# Altium PCB FMC_DAC_125M_14B_16CHA.PcbDoc (part 6 of 9) (continued)
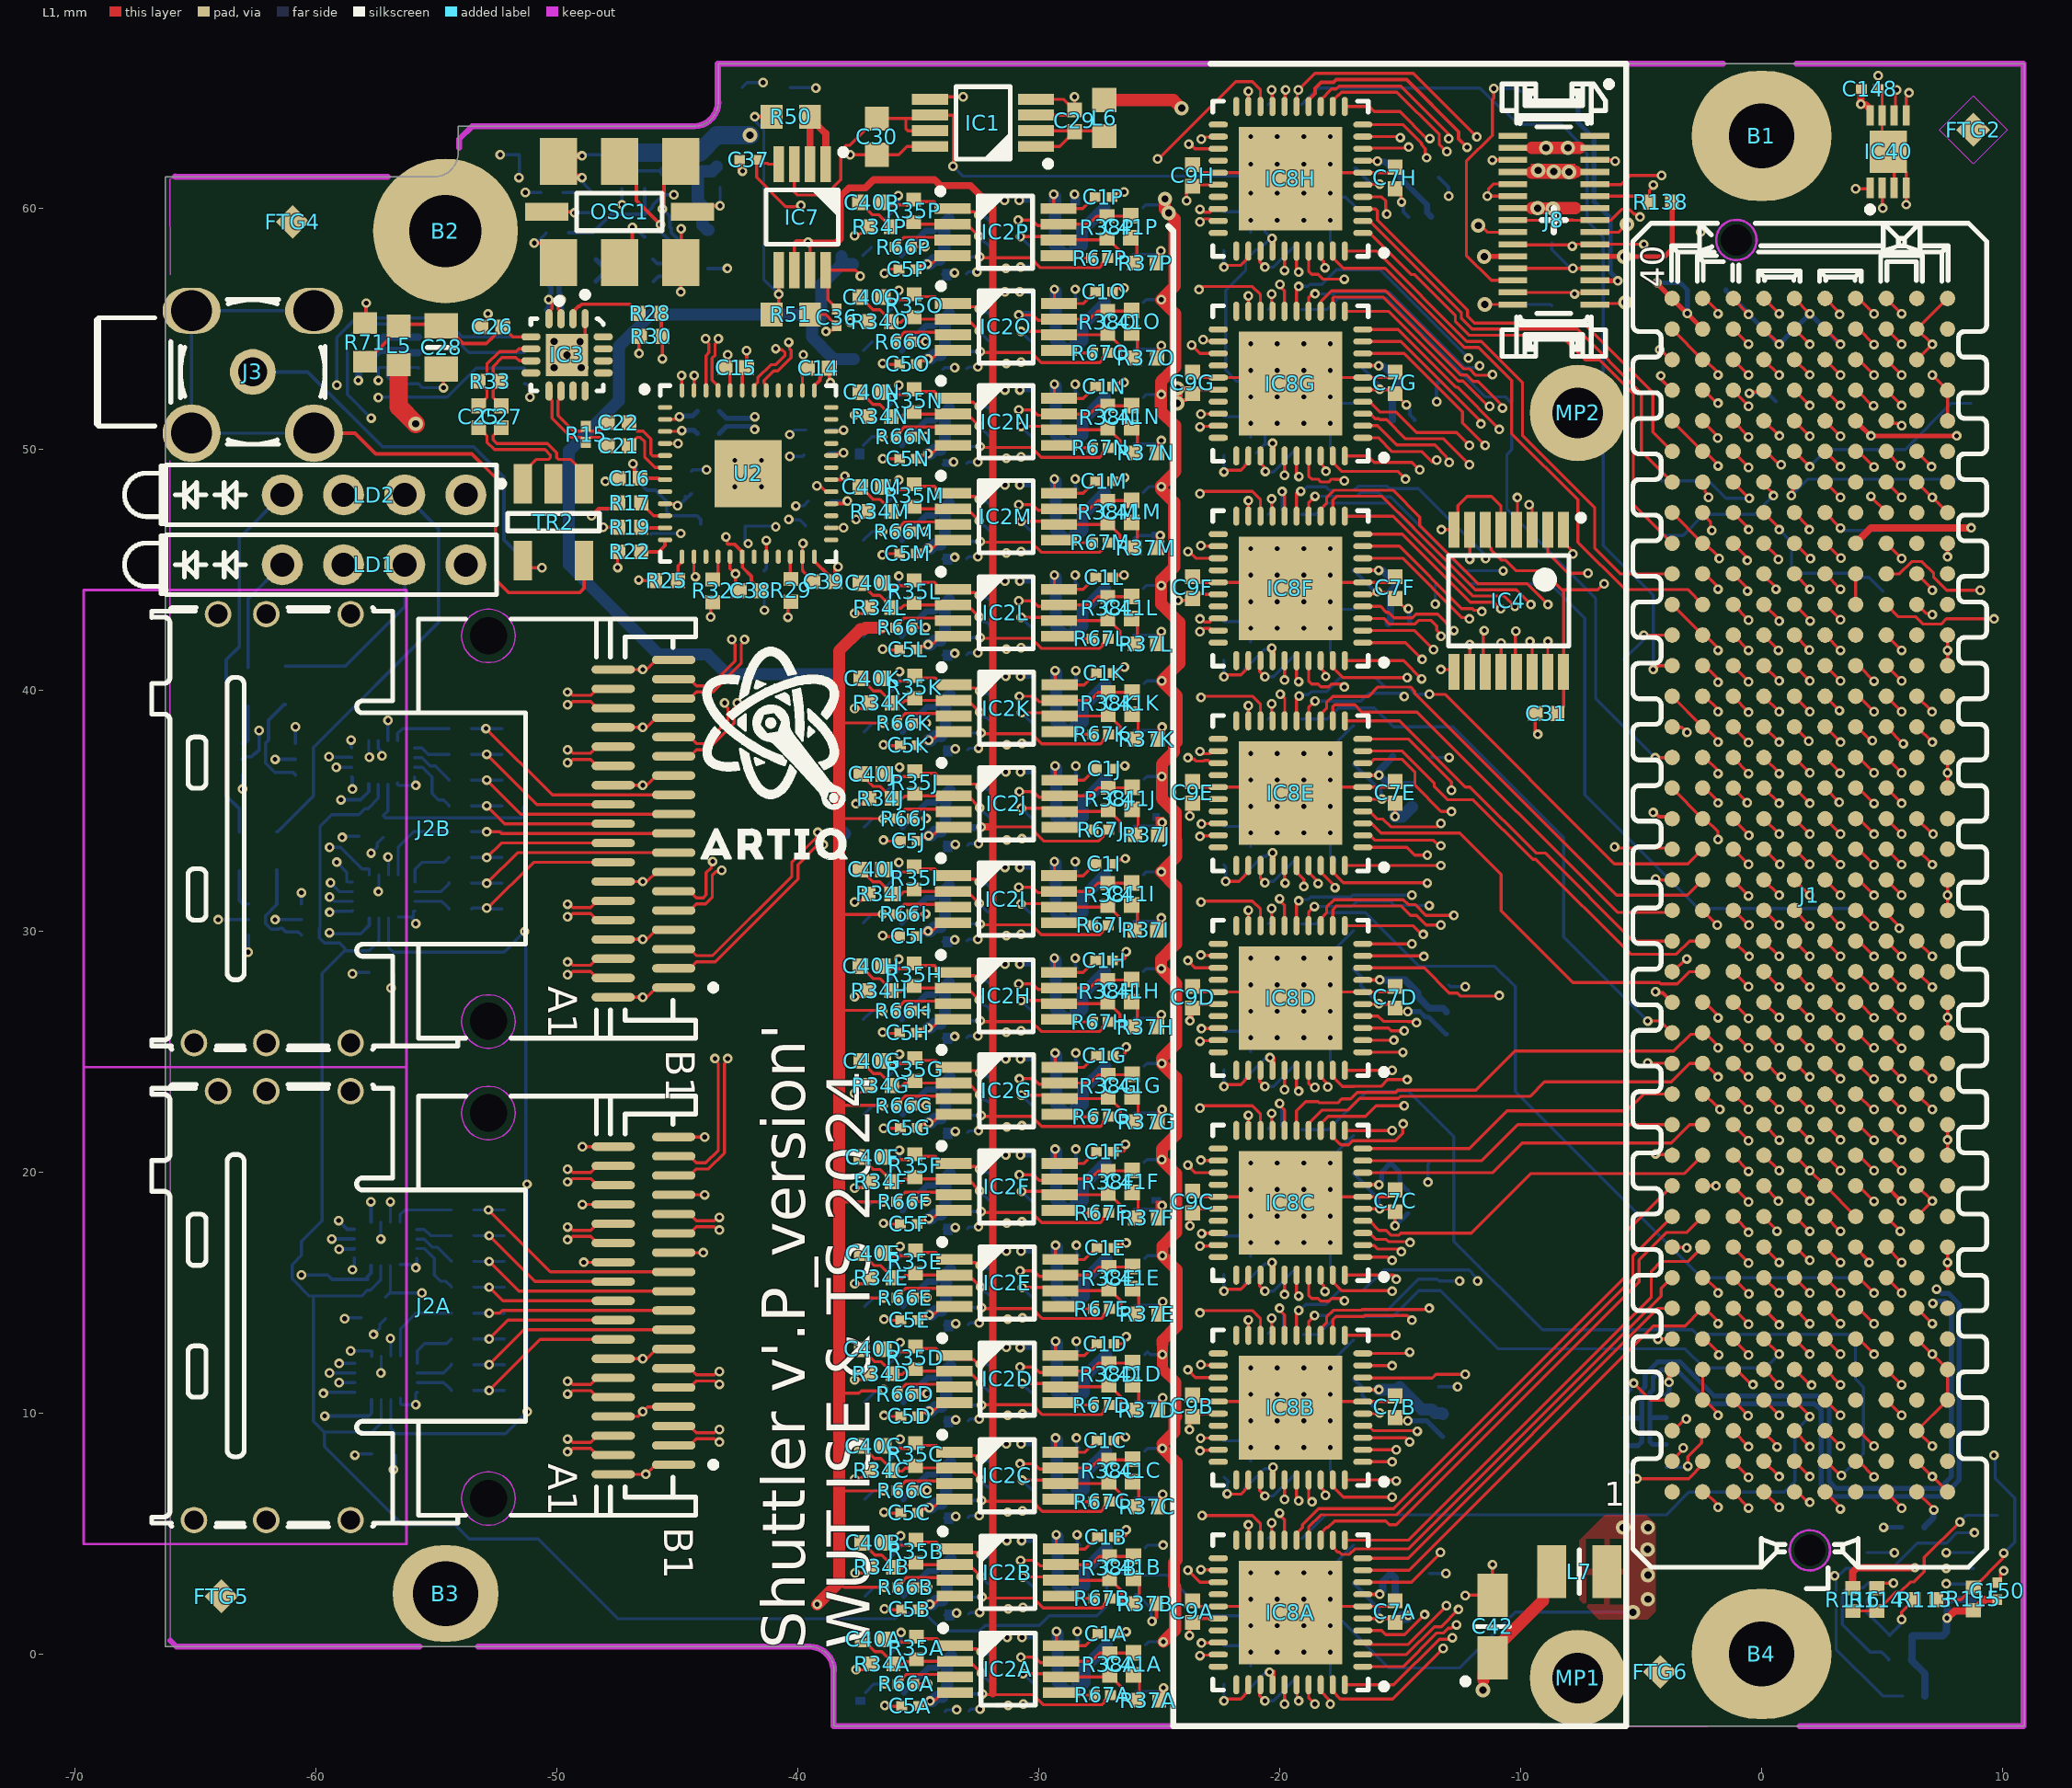
[diagram p0: L1 view]
## Nets (pads, with @x,y where several pads share a name; then routed paths per layer and width w, separated by ;. In a path a pad name is that pad's centre, name@x,y a point inside that pad or via, vN(x,y) a via of type N, cw(c..) or ccw(c..) an arc to the next point about the centre after c; other vN are vias at no path point) (continued)
  L1 w0.152: v3(-25.304,1.353) -25.282,1.353 -25.114,1.52 R37B.1@-25.114,2.087
  L3 w0.127: v1(0.694,18.791) v1@0.694,18.803
  L8 w0.127: v1(-63.057,35.893) T2.4@-63.057,36.48 ; v1(-62.821,29.125) -62.803,29.142 T1.4@-62.803,29.825 ; T2.1@-60.857,37.78 v1(-60.857,38.48) ; T1.1@-60.603,31.125 v1(-60.603,31.591) ; v1(-58.915,33.889) -58.869,33.935 C32B.1@-58.215,33.935 ; v1(-58.815,13.91) -58.769,13.956 C32A.1@-58.115,13.956 ; v1(-58.492,28.224) -58.431,28.285 C34B.1@-57.792,28.285 ; v1(-58.385,8.252) -58.331,8.306 C34A.1@-57.692,8.306 ; v1(-57.715,33.235) -57.455,33.495 -57.455,33.648 C35B.1@-57.214,33.889 ; v1(-57.615,13.256) -57.355,13.516 -57.355,13.669 C35A.1@-57.114,13.91 ; v1(-57.414,31.636) -57.392,31.658 IC5B.10@-57.392,32.336 ; IC6B.10@-57.414,37.9 -57.414,37.58 -57.313,37.479 -57.313,37.324 v1(-57.26,37.272) ; v1(-57.414,52.853) -57.414,53.37 C149.2@-57.392,53.391 -57.042,53.391 ; v1(-57.314,11.657) -57.292,11.678 IC5A.10@-57.292,12.357 ; v1(-57.314,17.221) IC6A.10@-57.314,17.921 ; v1@-57.014,33.146 v1(-57.014,33.072) -56.992,33.051 IC5B.11@-56.992,32.336 ; IC6B.11@-57.014,37.9 v1(-57.014,38.745) ; v1@-56.914,13.167 v1(-56.914,13.093) -56.892,13.071 IC5A.11@-56.892,12.357 ; IC6A.11@-56.914,17.921 v1(-56.914,18.766) ; v1(-56.891,27.635) -56.792,27.734 C33B.1@-56.792,28.224 ; v1(-56.791,7.656) -56.692,7.755 C33A.1@-56.692,8.245 ; IC38.6@-55.745,53.361 -55.775,53.391 -57.042,53.391 ; v1(-54.711,52.55) -55.584,52.55 IC38.5@-55.745,52.711 -56.745,52.711 -57.042,53.008 -57.042,53.391 ; v1(-52.356,62.222) C20.1@-51.556,62.222 -51.556,61.296 v1(-51.58,61.272) ; IC38.4@-51.345,52.711 -51.282,52.711 -51.12,52.549 v1(-51.12,52.165) ; v1(-51.312,60.654) C19.1@-50.651,60.654 ; v1(-48.089,46.756) -47.543,46.756 R24.1@-47.505,46.794 ; v1(-47.299,60.148) R16.1@-47.299,60.806 ; C13.1@-46.104,46.469 C13.1@-46.082,46.491 -46.071,46.502 v3(-44.863,46.502) ; C6P.1@-36.343,59.558 -35.832,60.068 v1(-35.832,60.53) ; C6H.1@-36.318,27.859 -35.807,28.369 v1(-35.807,28.83) ; C6I.1@-36.318,31.872 -35.807,32.382 v1(-35.807,32.843) ; C6L.1@-36.318,43.759 -35.807,44.269 v1(-35.807,44.731) ; C6M.1@-36.318,47.747 -35.807,48.257 v1(-35.807,48.718) ; C6N.1@-36.318,51.684 -35.807,52.194 v1(-35.807,52.655) ; C6O.1@-36.318,55.621 -35.807,56.131 v1(-35.807,56.593) ; C6F.1@-36.292,19.934 -35.782,20.444 v1(-35.782,20.905) ; C6G.1@-36.292,23.922 -35.782,24.432 v1(-35.782,24.893) ; C6J.1@-36.292,35.834 -35.782,36.345 v1(-35.782,36.806) ; C6K.1@-36.292,39.797 -35.782,40.307 v1(-35.782,40.768) ; C6C.1@-36.267,7.945 -35.756,8.456 v1(-35.756,8.917) ; C6D.1@-36.267,11.958 -35.756,12.469 v1(-35.756,12.93) ; C6E.1@-36.267,15.946 -35.756,16.457 v1(-35.756,16.918) ; C6B.1@-36.241,3.932 -35.731,4.442 v1(-35.731,4.904) ; C6A.1@-36.232,-0.081 -35.721,0.429 v1@-35.721,0.839 ; C4P.2@-34.002,57.252 -33.931,57.323 v1(-33.498,57.323) ; C4H.2@-33.976,25.553 -33.906,25.623 v1(-33.494,25.623) ; C4I.2@-33.976,29.566 -33.906,29.637 v1(-33.494,29.637) ; C4L.2@-33.976,41.453 -33.906,41.524 v1(-33.494,41.524) ; C4M.2@-33.976,45.441 -33.906,45.512 v1(-33.494,45.512) ; C4N.2@-33.976,49.378 C4N.2@-33.964,49.366 ; C4O.2@-33.976,53.315 -33.906,53.386 v1(-33.494,53.386) ; C4F.2@-33.951,17.628 -33.88,17.699 v1(-33.468,17.699) ; C4G.2@-33.951,21.616 -33.88,21.686 v1(-33.468,21.686) ; C4J.2@-33.951,33.528 -33.88,33.599 v1(-33.468,33.599) ; C4K.2@-33.951,37.491 -33.88,37.561 v1(-33.468,37.561) ; C4C.2@-33.925,5.639 -33.855,5.71 v1(-33.443,5.71) ; C4D.2@-33.925,9.653 -33.855,9.723 v1(-33.443,9.723) ; C4E.2@-33.925,13.64 -33.855,13.711 v1(-33.443,13.711) ; C4B.2@-33.9,1.626 -33.829,1.697 v1(-33.417,1.697) ; C4A.2@-33.89,-2.387 -33.82,-2.317 v1(-33.408,-2.317) ; C11P.2@-33.011,57.278 -32.929,57.359 v1(-32.563,57.359) ; C11H.2@-32.986,25.578 -32.915,25.649 v1(-32.528,25.649) ; C11I.2@-32.986,29.591 -32.915,29.662 v1(-32.528,29.662) ; C11L.2@-32.986,41.479 -32.915,41.549 v1(-32.528,41.549) ; C11M.2@-32.986,45.466 -32.915,45.537 v1(-32.528,45.537) ; C11N.2@-32.986,49.403 -32.915,49.474 v1(-32.528,49.474) ; C11O.2@-32.986,53.341 -32.915,53.411 v1(-32.528,53.411) ; C11F.2@-32.96,17.653 -32.89,17.724 v1(-32.503,17.724) ; C11G.2@-32.96,21.641 -32.89,21.712 v1(-32.503,21.712) ; C11J.2@-32.96,33.554 -32.89,33.624 v1(-32.503,33.624) ; C11K.2@-32.96,37.516 -32.89,37.587 v1(-32.503,37.587) ; C11C.2@-32.935,5.665 -32.864,5.735 v1(-32.478,5.735) ; C11D.2@-32.935,9.678 -32.864,9.749 v1(-32.478,9.749) ; C11E.2@-32.935,13.666 -32.864,13.736 v1(-32.478,13.736) ; C11B.2@-32.909,1.652 -32.839,1.722 v1(-32.452,1.722) ; C11A.2@-32.9,-2.362 -32.829,-2.291 v1(-32.442,-2.291) ; v1(-28.515,60.574) -28.515,60.262 C2P.2@-28.398,60.145 ; v1(-28.49,28.875) -28.49,28.563 C2H.2@-28.373,28.446 ; v1(-28.49,32.888) -28.49,32.576 C2I.2@-28.373,32.459 ; v1(-28.49,44.775) -28.49,44.463 C2L.2@-28.373,44.346 ; v1(-28.49,48.763) -28.49,48.451 C2M.2@-28.373,48.334 ; v1(-28.49,52.7) -28.49,52.388 C2N.2@-28.373,52.271 ; v1(-28.49,56.637) -28.49,56.325 C2O.2@-28.373,56.208 ; v1(-28.464,20.95) -28.464,20.638 C2F.2@-28.348,20.521 ; v1(-28.464,24.938) -28.464,24.626 C2G.2@-28.348,24.509 ; v1(-28.464,36.85) -28.464,36.538 C2J.2@-28.348,36.422 ; v1(-28.464,40.813) -28.464,40.501 C2K.2@-28.348,40.384 ; v1(-28.439,8.961) -28.439,8.649 C2C.2@-28.322,8.533 ; v1(-28.439,12.974) -28.439,12.663 C2D.2@-28.322,12.546 ; v1(-28.439,16.962) -28.439,16.65 C2E.2@-28.322,16.534 ; v1(-28.414,4.948) -28.414,4.636 C2B.2@-28.297,4.519 ; v1(-28.404,0.935) -28.404,0.623 C2A.2@-28.287,0.506 ; C3P.2@-26.088,58.085 -25.086,58.085 v1(-24.938,58.233) ; C3H.2@-26.062,26.385 -25.061,26.385 v1(-24.912,26.534) ; C3I.2@-26.062,30.399 -25.061,30.399 v1(-24.912,30.547) ; C3L.2@-26.062,42.286 -25.061,42.286 v1(-24.912,42.434) ; C3M.2@-26.062,46.274 -25.914,46.422 v1(-24.96,46.422) ; C3N.2@-26.062,50.211 -25.061,50.211 v1(-24.912,50.359) ; C3O.2@-26.062,54.148 -25.061,54.148 v1(-24.912,54.296) ; C3F.2@-26.037,18.461 -25.035,18.461 v1(-24.887,18.609) ; C3G.2@-26.037,22.448 -25.035,22.448 v1(-24.887,22.597) ; C3J.2@-26.037,34.361 -25.035,34.361 v1(-24.887,34.509) ; C3K.2@-26.037,38.323 -25.035,38.323 v1(-24.887,38.472) ; C3C.2@-26.012,6.472 -25.01,6.472 v1(-24.862,6.62) ; C3D.2@-26.012,10.485 -25.01,10.485 v1(-24.862,10.634) ; C3E.2@-26.012,14.473 -25.01,14.473 v1(-24.862,14.621) ; C3B.2@-25.986,2.459 -25.892,2.459 -25.33,1.897 -25.33,1.379 v3(-25.304,1.353) ; C3A.2@-25.976,-1.555 -24.975,-1.555 v1(-24.826,-1.406) ; R4A.2@-22.327,0.347 -21.55,0.347 -21.358,0.156 v2@-21.315,0.156 ; R4B.2@-22.327,8.847 -21.55,8.847 -21.358,8.656 v2@-21.315,8.656 ; R4C.2@-22.327,17.347 -21.55,17.347 -21.358,17.156 v2@-21.315,17.156 ; R4D.2@-22.327,25.847 -21.55,25.847 -21.358,25.656 v2@-21.315,25.656 ; R4E.2@-22.327,34.347 -21.55,34.347 -21.358,34.156 v2@-21.315,34.156 ; R4F.2@-22.327,42.847 -21.55,42.847 -21.358,42.656 v2@-21.315,42.656 ; R4G.2@-22.327,51.347 -21.55,51.347 -21.358,51.156 v2@-21.315,51.156 ; R4H.2@-22.327,59.847 -21.55,59.847 -21.358,59.656 v2@-21.315,59.656 ; C8A.2@-21.377,4.797 -21.302,4.872 v1(-21.302,5.358) ; C8C.2@-21.377,13.297 -21.302,13.372 v1(-21.302,13.858) ; C8B.2@-21.377,21.797 -21.302,21.872 v1(-21.302,22.358) ; C8D.2@-21.377,30.297 -21.302,30.372 v1(-21.302,30.858) ; C8E.2@-21.377,38.797 -21.302,38.872 v1(-21.302,39.358) ; C8F.2@-21.377,47.297 -21.302,47.372 v1(-21.302,47.858) ; C8G.2@-21.377,55.797 -21.302,55.872 v1(-21.302,56.358) ; C8H.2@-21.377,64.297 -21.302,64.372 v1(-21.302,64.849) ; v2@-21.315,1.256 -21.314,1.257 v2@-21.314,1.304 ; v2@-21.315,9.756 -21.314,9.757 v2@-21.314,9.804 ; v2@-21.315,18.256 -21.314,18.257 v2@-21.314,18.304 ; v2@-21.315,26.756 -21.314,26.757 v2@-21.314,26.804 ; v2@-21.315,35.256 -21.314,35.257 v2@-21.314,35.304 ; v2@-21.315,43.756 -21.314,43.757 v2@-21.314,43.804 ; v2@-21.315,52.256 -21.314,52.257 v2@-21.314,52.304 ; v2@-21.315,60.756 -21.314,60.757 v2@-21.314,60.804 ; C12A.2@-21.215,-0.494 -21.202,-0.481 -21.202,0.043 v2@-21.215,0.056 ; C12B.2@-21.215,8.006 -21.202,8.019 -21.202,8.543 v2@-21.215,8.556 ; C12C.2@-21.215,16.506 -21.202,16.519 -21.202,17.043 v2@-21.215,17.056 ; C12D.2@-21.215,25.006 -21.202,25.019 -21.202,25.543 v2@-21.215,25.556 ; C12E.2@-21.215,33.506 -21.202,33.519 -21.202,34.043 v2@-21.215,34.056 ; C12F.2@-21.215,42.006 -21.202,42.019 -21.202,42.543 v2@-21.215,42.556 ; C12G.2@-21.215,50.506 -21.202,50.519 -21.202,51.043 v2@-21.215,51.056 ; C12H.2@-21.215,59.006 -21.202,59.019 -21.202,59.543 v2@-21.215,59.556 ; v2@-20.247,-0.026 -20.233,-0.026 v2@-20.215,-0.044 ; v2@-20.247,8.474 -20.233,8.474 v2@-20.215,8.456 ; v2@-20.247,16.974 -20.233,16.974 v2@-20.215,16.956 ; v2@-20.247,25.474 -20.233,25.474 v2@-20.215,25.456 ; v2@-20.247,33.974 -20.233,33.974 v2@-20.215,33.956 ; v2@-20.247,42.474 -20.233,42.474 v2@-20.215,42.456 ; v2@-20.247,50.974 -20.233,50.974 v2@-20.215,50.956 ; v2@-20.247,59.474 -20.233,59.474 v2@-20.215,59.456 ; v2@-17.915,-0.044 -17.902,-0.057 -17.902,-0.957 R3A.2@-17.715,-1.144 ; v2@-17.915,8.456 -17.902,8.443 -17.902,7.543 R3B.2@-17.715,7.356 ; v2@-17.915,16.956 -17.902,16.943 -17.902,16.043 R3C.2@-17.715,15.856 ; v2@-17.915,25.456 -17.902,25.443 -17.902,24.543 R3D.2@-17.715,24.356 ; v2@-17.915,33.956 -17.902,33.943 -17.902,33.043 -17.715,32.856 R3E.2@-17.715,33.056 ; v2@-17.915,42.456 -17.902,42.443 -17.902,41.543 R3F.2@-17.715,41.356 ; v2@-17.915,50.956 -17.902,50.943 -17.902,50.043 R3G.2@-17.715,49.856 ; v2@-17.915,59.456 -17.902,59.443 -17.902,58.543 R3H.2@-17.715,58.356 ; v2(-17.902,3.372) -17.831,3.444 -17.831,3.632 -16.952,4.511 C10A.1@-16.927,4.511 ; v2(-17.902,11.872) -17.831,11.944 -17.831,12.132 -16.952,13.011 C10B.1@-16.927,13.011 ; v2(-17.902,20.372) -17.831,20.444 -17.831,20.632 -16.952,21.511 C10C.1@-16.927,21.511 ; v2(-17.902,28.872) -17.831,28.944 -17.831,29.132 -16.952,30.011 C10D.1@-16.927,30.011 ; v2(-17.902,37.372) -17.831,37.444 -17.831,37.632 -16.952,38.511 C10E.1@-16.927,38.511 ; v2(-17.902,43.672) -17.585,43.356 C10F.1@-16.939,43.356 C10F.1@-16.914,43.356 ; v2(-17.902,45.872) v2@-17.831,45.944 ; v2(-17.902,52.172) -17.82,52.172 -17.549,51.902 C10G.1@-16.722,51.902 C10G.1@-16.697,51.902 ; v2(-17.902,54.372) v2@-17.831,54.444 ; v2@-17.902,60.672 -17.801,60.672 -17.596,60.467 -17.275,60.467 C10H.1@-16.864,60.056 C10H.1@-16.839,60.056 ; v2@-17.902,62.872 -17.831,62.944 v2@-17.831,63.121 ; v3(-13.844,19.576) -13.844,20.325 C43C.1@-13.797,20.372 ; C43A.1@-13.797,3.337 v3(-13.102,3.337) ; C43E.1@-13.715,37.247 -13.674,37.206 v3(-12.967,37.206) ; v3(-13.549,43.571) C43F.1@-13.549,44.353 ; C43F.1@-13.548,44.353 C43F.1@-13.467,44.435 ; C43B.1@-13.414,11.084 v3(-12.619,11.084) ; C43D.1@-12.997,27.772 -12.915,27.69 v3(-12.301,27.69) ; C275.2@-8.715,58.556 -8.715,58.281 -7.991,57.557 -7.886,57.557 v1(-7.834,57.504) ; IC39.4@4.385,4.206 5.511,4.206 v1(5.514,4.202) ; v1(7.664,2.913) 7.672,2.906 IC39.7@8.785,2.906 ; v1(7.664,3.556) IC39.6@8.785,3.556 ; v1(7.664,4.206) IC39.5@8.785,4.206
  L8 w0.152: v3(-13.485,51.972) -13.485,52.669 C43G.1@-13.414,52.74 C43G.1@-13.448,52.774 ; C43H.1@-13.39,61.271 -12.991,60.872 -12.991,60.509 v3(-12.986,60.504)
  other v1: -35.721,0.89 -26.372,5.153 4.668,7.355 7.085,7.361 4.668,8.625 4.668,12.435 7.085,12.441 4.668,13.705 -26.407,21.155 4.668,21.325 -1.732,22.601 0.732,22.595 4.668,28.945 4.668,32.755 4.668,36.565 4.668,40.375 7.085,48.001 -33.535,49.474 -26.458,52.765 4.668,54.345 -26.458,56.684 -26.458,60.672
  other v2: -21.202,0.072 -20.102,0.072 -19.002,0.072 -17.902,0.072 -21.202,1.172 -20.102,1.172 -19.002,1.172 -17.902,1.172 -21.202,2.272 -20.102,2.272 -19.002,2.272 -17.902,2.272 -21.202,3.372 -20.102,3.372 -19.002,3.372 -21.202,8.572 -20.102,8.572 -19.002,8.572 -17.902,8.572 -21.202,9.672 -20.102,9.672 -19.002,9.672 -17.902,9.672 -21.202,10.772 -20.102,10.772 -19.002,10.772 -17.902,10.772 -21.202,11.872 -20.102,11.872 -19.002,11.872 -21.202,17.072 -20.102,17.072 -19.002,17.072 -17.902,17.072 -21.202,18.172 -20.102,18.172 -19.002,18.172 -17.902,18.172 -21.202,19.272 -20.102,19.272 -19.002,19.272 -17.902,19.272 -21.202,20.372 -20.102,20.372 -19.002,20.372 -21.202,25.572 -20.102,25.572 -19.002,25.572 -17.902,25.572 -21.202,26.672 -20.102,26.672 -19.002,26.672 -17.902,26.672 -21.202,27.772 -20.102,27.772 -19.002,27.772 -17.902,27.772 -21.202,28.872 -20.102,28.872 -19.002,28.872 -21.202,34.072 -20.102,34.072 -19.002,34.072 -17.902,34.072 -21.202,35.172 -20.102,35.172 -19.002,35.172 -17.902,35.172 -21.202,36.272 -20.102,36.272 -19.002,36.272 -17.902,36.272 -21.202,37.372 -20.102,37.372 -19.002,37.372 -21.202,42.572 -20.102,42.572 -19.002,42.572 -17.902,42.572 -21.202,43.672 -20.102,43.672 -19.002,43.672 -21.202,44.772 -20.102,44.772 -19.002,44.772 -17.902,44.772 -21.202,45.872 -20.102,45.872 -19.002,45.872 -42.615,48.436 -41.515,48.436 -42.615,49.536 -41.515,49.536 -21.202,51.072 -20.102,51.072 -19.002,51.072 -17.902,51.072 -21.202,52.172 -20.102,52.172 -19.002,52.172 -21.202,53.272 -20.102,53.272 -19.002,53.272 -17.902,53.272 -21.202,54.372 -20.102,54.372 -19.002,54.372 -21.202,59.496 -20.102,59.496 -19.002,59.496 -17.902,59.496 -21.202,60.622 -20.102,60.622 -19.002,60.622 -17.902,60.622 -21.202,61.823 -20.102,61.823 -19.002,61.823 -17.902,61.823 -21.202,62.974 -20.102,62.974 -19.002,62.974 -17.902,62.974
  other v4: -50.119,53.385 -48.99,53.385 -49.041,54.454 -50.119,54.472
HA17_CC_N: IC6A.5 IC6B.5 J1.k17 | length 97.7
  L1 w0.145: v1(-4.408,27.48) -4.359,27.431 -4.101,27.431 J1.k17@-3.715,27.046
  L3 w0.145: v1(-58.492,15.946) -58.492,19.518 -57.414,20.596 -57.414,29.971 -58.492,31.049 v1(-58.492,35.893)
  L7 w0.145: v1(-58.492,15.946) -56.245,13.699 -56.245,11.288 -55.459,10.502 -50.773,10.502 -50.464,10.193 -46.974,10.193 -46.688,10.479 -40.093,10.479 -38.146,12.425 -38.146,12.49 -37.307,13.33 -34.189,13.33 -34.12,13.26 -32.387,13.26 -31.948,13.699 -31.948,14.371 -31.697,14.621 -28.97,14.621 -27.926,13.577 -23.294,13.577 -22.517,12.8 -15.442,12.8 -14.642,12 -8.955,12 -4.014,16.941 -4.014,19.382 -3.334,20.062 -3.334,26.406 v1(-4.408,27.48)
  L8 w0.145: IC6B.5@-58.514,36.4 -58.492,36.378 v1(-58.492,35.893) ; v1(-58.492,15.946) -58.414,16.024 IC6A.5@-58.414,16.421
HA23_N: J1.k23 T1.2 | length 65.5
  L1 w0.145: v1(-4.499,34.918) -4.43,34.918 -4.253,34.741 -3.79,34.741 J1.k23@-3.715,34.666
  L7 w0.127: v1(-61.703,30.475) -61.228,30.475 -61.153,30.4 -61.153,30.119 -60.991,29.957 -60.014,29.957 -59.559,29.503 -51.12,29.503 -50.455,30.168 -46.721,30.168 -46.477,30.413 -40.505,30.413 -39.809,31.109 -39.214,31.109 -38.52,31.803 -34.319,31.803 -33.744,32.378 -33.744,32.46 -33.56,32.643 -32.376,32.643 -31.884,32.151 -31.884,32.066 -31.537,31.719 -31.537,31.135 -30.92,30.518 -30.292,30.518 -28.471,32.339 -26.216,32.339 -25.562,32.993 -23.637,32.993 -23.386,32.741 -22.263,32.741 -21.981,32.46 -15.765,32.46 -13.844,34.38 -13.844,35.1 -13.493,35.451 -5.032,35.451 v1(-4.499,34.918)
  L8 w0.127: v1(-61.703,30.475) T1.2@-60.603,30.475
HA23_P: J1.k22 T1.5 | length 65.1
  L1 w0.127: v1(-6.104,33.493) -6.055,33.445 -3.764,33.445 J1.k22@-3.715,33.396
  L7 w0.127: v1(-64.065,30.475) -63.105,29.515 -59.931,29.515 -59.665,29.249 -34.813,29.249 -34.337,28.773 -32.24,28.773 -31.783,29.23 -30.364,29.23 -29.437,30.158 -26.737,30.158 -25.693,31.202 -24.651,31.202 -23.746,30.297 -14.276,30.297 -13.918,30.654 -13.396,30.654 -12.56,31.491 -8.911,31.491 -6.858,33.543 -6.154,33.543 v1(-6.104,33.493)
  L8 w0.127: v1(-64.065,30.475) T1.5@-62.803,30.475
HB00_CC_N: IC5A.5 IC5B.5 J1.k26 | length 85.6
  L1 w0.135: J1.k26@-3.715,38.476 -3.7,38.461 -3.307,38.461 v1(-3.092,38.247)
  L3 w0.135: v1(-59.697,10.815) -59.697,10.887 -59.837,11.027 -59.837,28.621 -59.048,29.41 -59.048,29.88 -58.915,30.013 -58.915,30.252 -59.434,30.77 v1(-59.434,30.78)
  L7 w0.135: v1(-59.434,30.78) -58.786,30.78 -58.712,30.706 -55.507,30.706 -55.36,30.559 -52.155,30.559 -49.064,33.65 -40.706,33.65 -39.586,34.77 -36.919,34.77 -36.629,35.06 -36.572,35.06 -36.459,35.174 -35.214,35.174 -34.778,35.61 -34.462,35.61 -33.657,36.414 -32.892,36.414 -32.888,36.418 -32.122,36.418 -31.697,35.994 -31.697,34.714 -31.621,34.638 -31.581,34.598 -30.945,34.598 ccw(c-30.715,35.097) -30.485,34.598 -26.077,34.598 -24.848,35.828 -17.718,35.828 -17.678,35.867 -15.685,35.867 -13.952,37.6 -11.769,37.6 -11.684,37.515 -4.709,37.515 -3.977,38.247 v1(-3.092,38.247)
  L8 w0.135: v1(-59.697,10.815) -59.655,10.857 IC5A.5@-58.392,10.857 ; v1(-59.434,30.78) -59.39,30.823 -58.504,30.823 IC5B.5@-58.492,30.836
HB06_CC_N: IC8A.37 IC8B.37 IC8C.37 IC8D.37 IC8E.37 IC8F.37 IC8G.37 IC8H.37 J1.k29 TP10.1 | length 98.5
  L1 w0.127: IC8A.37@-18.802,-1.278 -18.802,-1.818 v1@-18.474,-2.146 ; IC8B.37@-18.802,7.222 -18.802,6.447 v1(-18.663,6.309) ; IC8C.37@-18.802,15.722 -18.802,14.887 -18.671,14.756 -18.404,14.756 -18.286,14.638 -17.963,14.638 -17.845,14.756 v1@-17.315,14.756 ; IC8D.37@-18.802,24.222 -18.802,23.681 -18.587,23.466 v1(-18.537,23.516) ; IC8E.37@-18.802,32.722 -18.802,32.447 -18.407,32.052 v1(-18.407,31.976) ; IC8F.37@-18.802,41.222 -18.802,40.387 -18.671,40.256 -18.404,40.256 -18.286,40.138 -17.963,40.138 -17.845,40.256 v1@-17.315,40.256 ; IC8G.37@-18.802,49.722 -18.802,48.887 -18.671,48.756 -18.404,48.756 -18.286,48.638 -17.963,48.638 -17.845,48.756 -17.715,48.756 -17.701,48.742 -17.373,48.742 v1(-17.321,48.689) ; IC8H.37@-18.802,58.222 -18.802,57.387 -18.671,57.256 -18.404,57.256 -18.204,57.056 v1(-17.321,57.056) ; v1(-4.89,42.283) -4.887,42.286 J1.k29@-3.715,42.286
  L5 w0.127: v1(-18.663,6.309) -18.651,6.309 -18.535,6.425 -18.535,7.036 -17.848,7.723 -17.588,7.723 -17.315,7.996 v1(-17.315,14.656) -18.105,14.656 -18.287,14.655 -18.561,14.929 -18.561,15.79 -17.423,16.928 -17.423,22.345 -18.268,23.189 -18.327,23.189 -18.464,23.326 -18.537,23.326 -18.4,23.463 -18.4,23.956 -17.423,24.933 -17.423,30.964 -18.407,31.948 -18.407,32.377 -17.423,33.361 -17.423,38.837 -17.315,38.945 -17.321,38.951 v1(-17.321,40.13) -18.208,40.13 -18.267,40.189 -18.535,40.456 -18.535,40.677 -17.315,41.896 -17.315,48.689 -18.267,48.689 -18.505,48.928 -18.505,49.206 -17.315,50.396 -17.315,57.05 v1(-17.321,57.056) ; v1@-18.651,6.303 -18.381,6.303 -18.268,6.189 -17.594,6.189 -17.315,5.91 -17.315,-0.473 -18.534,-1.692 -18.534,-2.079 v1(-18.537,-2.082) ; v1(-18.537,23.516) v1@-18.442,23.421
  L7 w0.127: v1(-17.321,40.13) -16.173,40.13 -15.134,39.091 -9.145,39.091 -6.343,41.893 -5.28,41.893 v1(-4.89,42.283)
  L8 w0.127: TP10.1@-5.711,41.278 -4.942,42.046 -4.942,42.231 v1(-4.89,42.283)
HB16_N: IC8A.36 IC8B.36 IC8C.36 IC8D.36 IC8E.36 IC8F.36 IC8G.36 IC8H.36 J1.f35 TP9.1 | length 105.7
  L1 w0.127: IC8A.36@-19.302,-1.278 -19.278,-1.301 -19.278,-1.818 -19.215,-1.881 v1(-19.215,-1.955) ; IC8B.36@-19.302,7.222 -19.302,6.443 v1(-19.215,6.356) ; IC8C.36@-19.302,15.722 -19.302,14.943 v1(-19.215,14.856) ; IC8D.36@-19.302,24.222 -19.302,23.443 v1(-19.215,23.356) ; IC8E.36@-19.302,32.722 -19.302,32.447 -19.002,32.147 v1(-19.002,31.848) ; IC8F.36@-19.302,41.222 -19.302,40.443 v1(-19.215,40.356) ; IC8G.36@-19.302,49.722 -19.302,48.943 -19.224,48.865 v1(-19.203,48.865) ; IC8H.36@-19.302,58.222 -19.302,57.443 v1(-19.215,57.356) ; J1.f35@1.365,49.906 v1(2,49.271)
  L5 w0.127: v1(-19.215,-1.955) -19.215,-1.396 -18.535,-0.715 -18.535,4.948 -18.144,5.339 -18.144,5.707 -18.423,5.985 -18.496,5.912 -18.819,5.912 -19.048,6.141 -19.048,6.189 v1(-19.215,6.356) -18.793,6.778 -18.793,7.737 -18.535,7.996 -18.535,11.863 -18.144,12.253 -18.144,14.198 -18.348,14.401 -18.392,14.401 -18.824,14.833 -19.192,14.833 v1(-19.215,14.856) -19.215,16.012 -18.535,16.692 -18.535,20.363 -18.144,20.753 -18.144,22.707 -18.373,22.935 -18.696,22.935 -18.699,22.935 -19.119,23.356 v1(-19.215,23.356) -19.215,23.986 -18.561,24.639 -18.561,28.836 -18.167,29.23 -18.167,31.184 -18.832,31.848 v1(-19.002,31.848) -19.002,33.449 -18.561,33.89 -18.561,37.555 -18.836,37.829 -18.836,37.935 -18.144,38.627 -18.144,39.707 -18.373,39.935 -18.795,39.935 v1(-19.215,40.356) -18.535,41.036 -18.535,47.036 -17.902,47.669 -17.902,47.965 -18.793,48.856 -19.194,48.856 v1(-19.203,48.865) ; v1(-19.215,57.356) -18.915,57.056 -18.373,57.056 -18.144,56.827 -18.144,56.084 -18.373,55.856 -18.373,49.698 v1(-19.203,48.865)
  L7 w0.127: v1(-19.203,48.865) -18.512,48.865 -17.306,47.658 -11.024,47.658 -10.154,48.528 -3.392,48.528 -3.004,48.916 -1.725,48.916 -1.657,48.848 1.578,48.848 v1(2,49.271)
  L8 w0.127: v1(2,49.271) 2.716,49.987 5.965,49.987 7.882,51.904 TP9.1@8.702,51.904
HB16_P: IC8A.35 IC8B.35 IC8C.35 IC8D.35 IC8E.35 IC8F.35 IC8G.35 IC8H.35 J1.f34 TP11.1 | length 98.4
  L1 w0.127: v1@-19.802,-2.083 IC8A.35@-19.802,-1.278 ; v1@-19.802,6.417 IC8B.35@-19.802,7.222 ; v1@-19.802,14.917 IC8C.35@-19.802,15.722 ; v1@-19.802,23.417 IC8D.35@-19.802,24.222 ; IC8E.35@-19.802,32.722 -19.802,32.018 v1(-19.776,31.992) ; v1@-19.802,40.417 IC8F.35@-19.802,41.222 ; v1@-19.802,48.917 IC8G.35@-19.802,49.722 ; v1@-19.802,57.417 IC8H.35@-19.802,58.222 ; v1(1.238,48.077) 1.29,48.129 1.29,48.561 J1.f34@1.365,48.636
  L5 w0.127: v1(-19.802,-2.084) -19.794,-2.075 -19.802,-2.067 -19.802,-1.283 -19.615,-1.096 -19.615,6.155 -19.802,6.343 v1(-19.802,6.416) -19.802,6.869 -19.615,7.056 -19.615,14.656 -19.802,14.843 v1(-19.802,14.916) -19.764,14.955 -19.764,15.307 -19.615,15.456 -19.615,22.839 -19.615,23.155 -19.802,23.343 v1(-19.802,23.416) -19.802,24.179 -19.615,24.367 -19.615,31.508 -19.724,31.617 v1@-19.724,31.94 ; v1(-19.802,57.416) -19.802,57.343 -19.605,57.146 -19.605,55.103 -19.605,53.06 -19.515,52.97 -19.515,49.203 v1(-19.802,48.916) -19.802,48.911 -19.515,48.624 -19.515,41.467 -19.802,41.179 v1(-19.802,40.416) -19.802,40.343 -19.589,40.13 -19.589,33.352 -19.724,33.217 v1@-19.724,31.94 ; v1(-19.776,31.992) v1@-19.724,31.94
  L7 w0.127: v1(-19.802,48.916) -19.802,48.911 -19.515,48.624 -19.515,47.87 -18.948,47.304 1.164,47.304 1.238,47.378 v1(1.238,48.077)
  L8 w0.127: v1(1.238,48.077) 1.917,48.756 TP11.1@8.702,48.756